# Altium PCB Bran_Main_Assay_PCB_v2.PcbDoc (part 10 of 15) (continued)
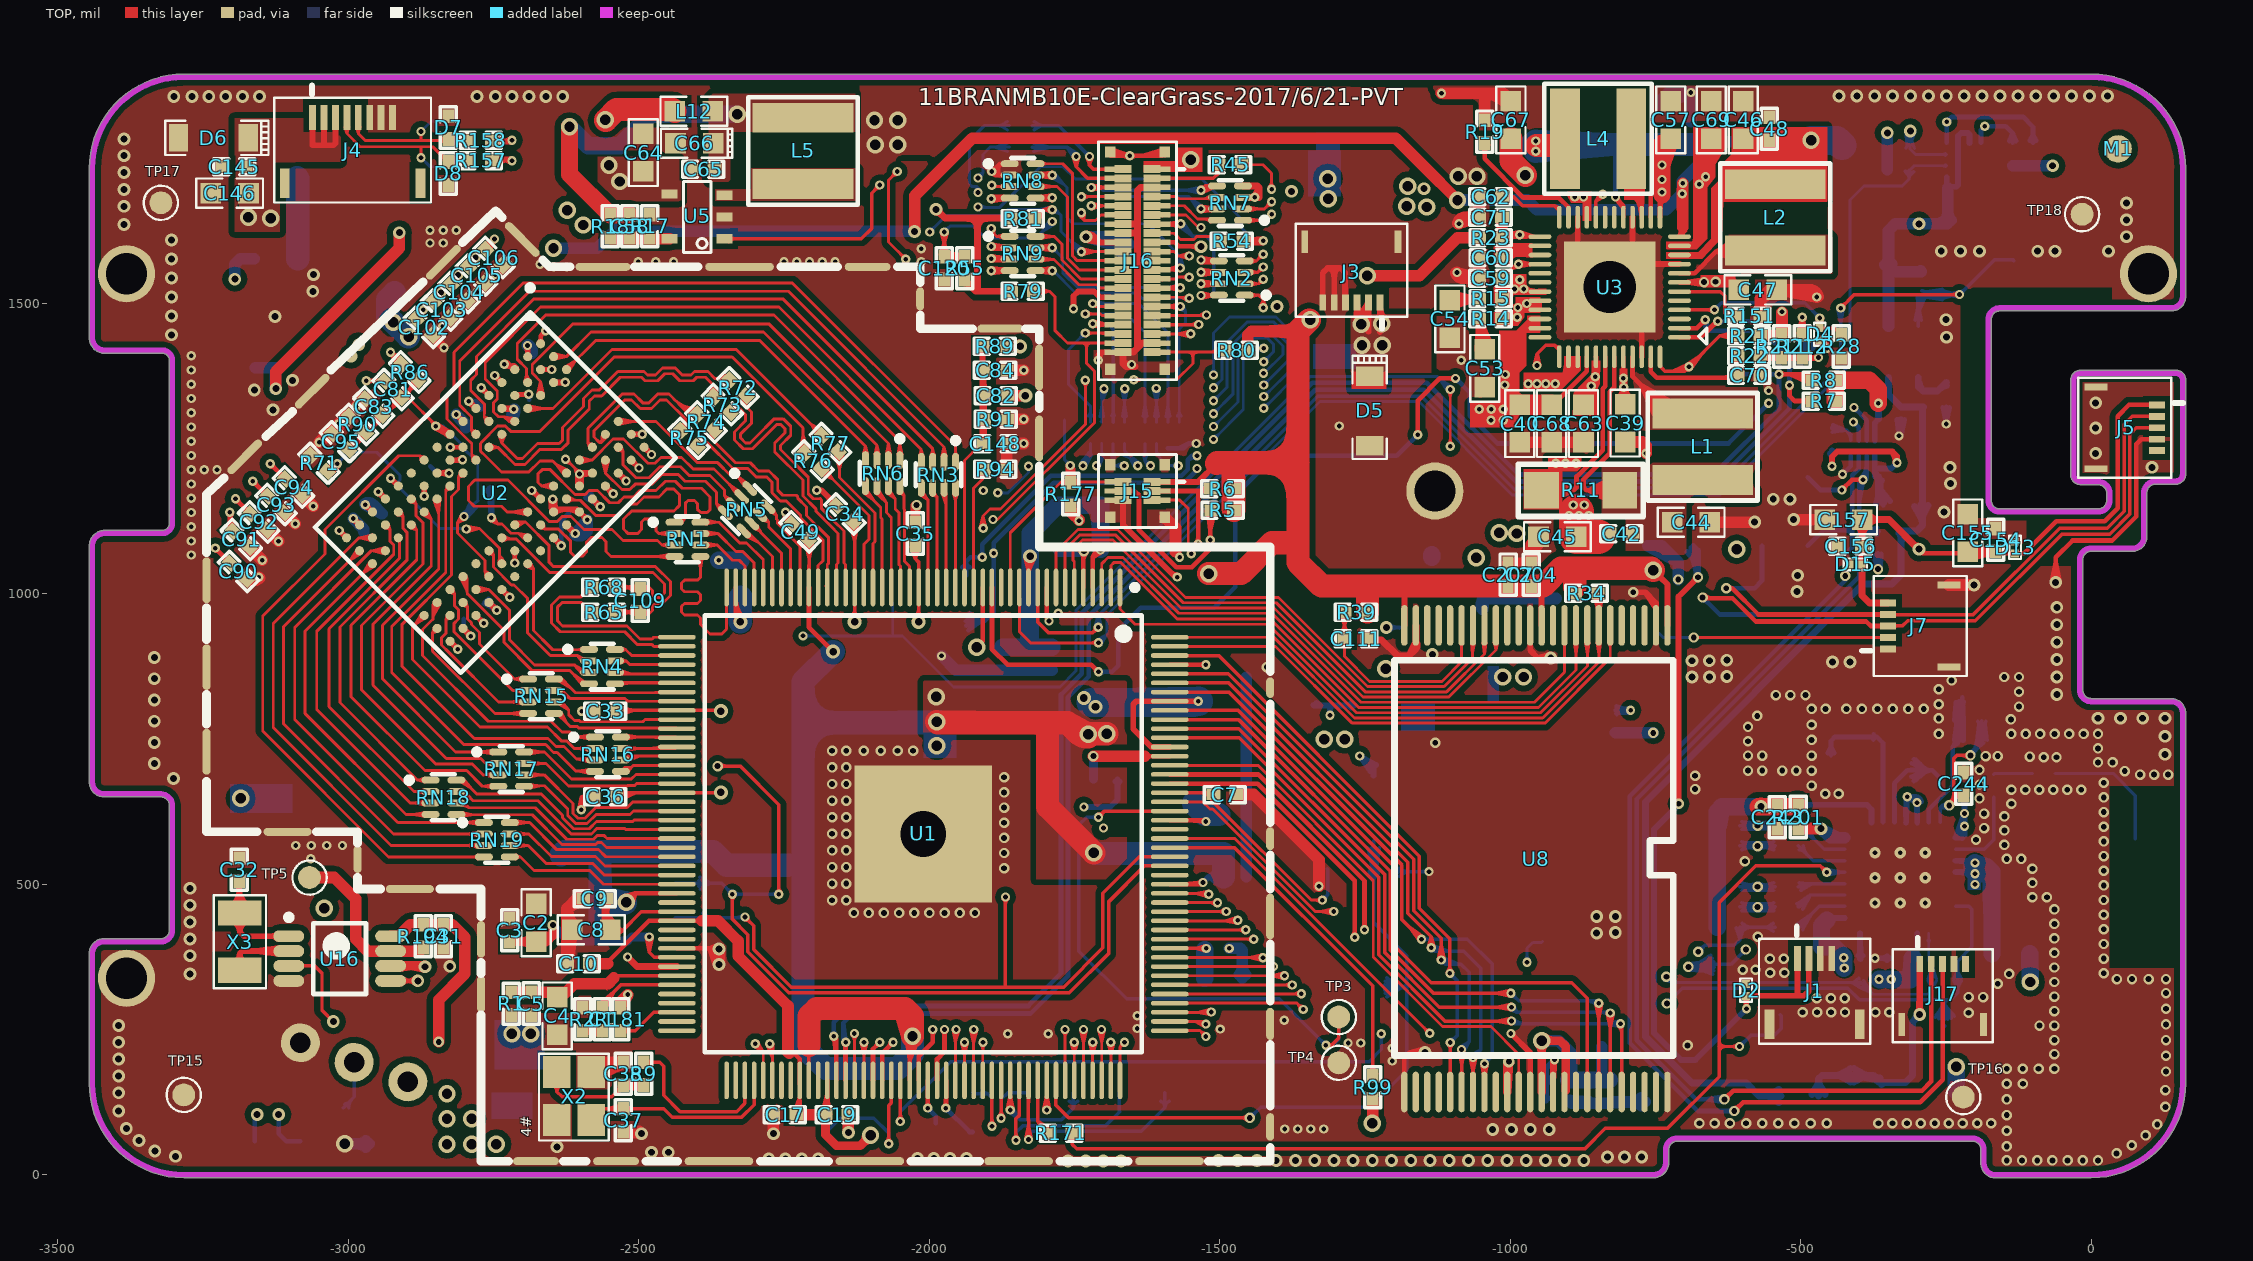
[diagram p0: TOP view]
## Nets (pads, with @x,y where several pads share a name; then routed paths per layer and width w, separated by ;. In a path a pad name is that pad's centre, name@x,y a point inside that pad or via, vN(x,y) a via of type N, cw(c..) or ccw(c..) an arc to the next point about the centre after c; other vN are vias at no path point) (continued)
N16978245: J16.11 RN2.6 | length 944.1
  TOP w5: J16.11@-1599.21,1650.79 ccw(c-1603.01,1646.99) -1603.01,1652.36 ccw(c-1603.01,1657.73) J16.11@-1599.21,1653.94 ; J16.11@-1597.64,1652.36 J16.11@-1616.73,1652.36 J16.11@-1593.5,1652.36 -1558.3,1652.36 -1536.68,1630.74 v1(-1532.45,1630.74) ; J16.11@-1589.37,1652.36 -1569.65,1652.36 ; J16.11@-1587.8,1650.79 cw(c-1584,1646.99) -1584,1652.36 cw(c-1584,1657.73) J16.11@-1587.8,1653.94 ; v1@-1532.68,1548.25 RN2.6@-1511.52,1550.09 ; v1@-1532.6,1559.24 RN2.6@-1511.46,1557.07 ; v1@-1531.79,1559.2 -1509.45,1553.74 -1531.79,1548.28 RN2.6@-1511.2,1553.58 ; v1@-1531.7,1559.19 RN2.6@-1511.2,1553.58 ; v1@-1531.16,1548.39 -1522.61,1553.29 ; v1@-1531.16,1559.09 -1522.61,1554.19 ; v1@-1530.89,1548.47 RN2.6@-1511.46,1557.07 ; v1@-1530.81,1558.99 RN2.6@-1511.52,1550.09 ; v1@-1530.67,1548.53 -1522.61,1554.19 ; v1@-1530.67,1558.95 -1522.61,1553.29 ; v1@-1528.56,1549.85 cw(c-1519.17,1540.46) -1519.17,1553.74 cw(c-1519.17,1567.02) v1@-1528.56,1557.63 ; -1520.03,1553.74 cw(c-1520.03,1544.74) RN2.6@-1513.67,1551.11 ; -1519.26,1553.74 ccw(c-1519.26,1561.64) RN2.6@-1513.67,1556.06 ; RN2.6@-1512.45,1550.31 -1517.22,1554.01 ; RN2.6@-1512.22,1556.93 -1517.71,1553.43 ; RN2.6@-1512.06,1550.19 -1517.71,1553.43 ; RN2.6@-1511.97,1556.99 -1517.22,1554.01 ; RN2.6@-1501.7,1553.58 -1501.86,1553.74 v1(-1532.45,1553.74) ; v1(-1532.45,1553.74) RN2.6@-1511.2,1553.58 ; v1(-1532.45,1553.74) RN2.6@-1511.46,1557.07 ; v1(-1532.45,1553.74) RN2.6@-1511.52,1550.09 ; v1(-1532.45,1553.74) -1522.61,1554.19 ; v1(-1532.45,1553.74) -1522.61,1553.29 ; v1@-1532.2,1553.74 RN2.6@-1511.2,1553.58 ; v1@-1532.2,1553.74 RN2.6@-1511.46,1557.07 ; v1@-1532.2,1553.74 RN2.6@-1511.52,1550.09 ; -1517.71,1553.43 RN2.6@-1511.2,1553.58 ; -1517.22,1554.01 RN2.6@-1511.2,1553.58
  Singal w5: v1@-1531.42,1625.34 -1517.7,1630.74 ; v1@-1531.42,1636.14 -1517.7,1630.74 ; v1@-1531.37,1548.35 -1518.45,1553.74 ; v1@-1531.37,1559.13 -1518.45,1553.74 ; v1@-1531.16,1548.39 -1522.61,1553.29 ; v1@-1531.16,1559.09 -1522.61,1554.19 ; v1@-1531.16,1625.39 -1522.61,1630.29 ; v1@-1531.16,1636.09 -1522.61,1631.19 ; v1@-1530.67,1548.53 -1522.61,1554.19 ; v1@-1530.67,1558.95 -1522.61,1553.29 ; v1@-1530.67,1625.53 -1522.61,1631.19 ; v1@-1530.67,1635.95 -1522.61,1630.29 ; v1@-1528.56,1549.85 cw(c-1519.17,1540.46) -1519.17,1553.74 cw(c-1519.17,1567.02) v1@-1528.56,1557.63 ; v1@-1528.56,1626.85 cw(c-1519.17,1617.46) -1519.17,1630.74 cw(c-1519.17,1644.02) v1@-1528.56,1634.63 ; v1(-1532.45,1553.74) -1522.61,1554.19 ; v1(-1532.45,1553.74) -1522.61,1553.29 ; v1(-1532.45,1553.74) -1518.45,1553.74 ; v1(-1532.45,1630.74) -1522.61,1631.19 ; v1(-1532.45,1630.74) -1522.61,1630.29 ; v1(-1532.45,1630.74) -1517.7,1630.74 ; -1518.45,1553.74 -1505.95,1566.24 -1505.95,1618.99 -1517.7,1630.74
N16978418: J16.12 RN2.7 | length 1421.1
  TOP w5: v1@-1743.06,1653.23 -1733.94,1642.99 ; v1@-1740.63,1651.01 cw(c-1742.34,1647.35) -1738.3,1647.35 ; v1@-1737.93,1655.66 ccw(c-1733.09,1651.32) -1737.68,1646.73 ; v1@-1735.97,1651.01 ccw(c-1734.25,1647.35) -1738.3,1647.35 ; v1@-1734.2,1652.32 ccw(c-1729.14,1647.79) -1733.95,1642.99 ; v1@-1732.84,1656.66 -1733.94,1642.99 ; J16.12@-1695.67,1650.79 ccw(c-1699.46,1646.99) -1699.46,1652.36 ccw(c-1699.46,1657.73) J16.12@-1695.67,1653.94 ; J16.12@-1694.09,1652.36 -1704.57,1652.36 ; J16.12@-1685.83,1652.36 J16.12@-1666.73,1652.36 J16.12@-1689.96,1652.36 -1704.57,1652.36 ; J16.12@-1684.25,1650.79 cw(c-1680.46,1646.99) -1680.46,1652.36 cw(c-1680.46,1657.73) J16.12@-1684.25,1653.94 ; v1@-1532.68,1539.24 RN2.7@-1511.52,1537.39 ; v1@-1532.6,1528.24 RN2.7@-1511.46,1530.41 ; v1@-1531.79,1528.28 -1509.45,1533.74 -1531.79,1539.2 RN2.7@-1511.2,1533.9 ; v1@-1531.7,1528.29 RN2.7@-1511.2,1533.9 ; v1@-1531.16,1528.39 -1522.61,1533.29 ; v1@-1531.16,1539.09 -1522.61,1534.19 ; v1@-1530.89,1539.01 RN2.7@-1511.46,1530.41 ; v1@-1530.81,1528.49 RN2.7@-1511.52,1537.39 ; v1@-1530.67,1528.53 -1522.61,1534.19 ; v1@-1530.67,1538.95 -1522.61,1533.29 ; v1@-1528.56,1529.85 cw(c-1519.17,1520.46) -1519.17,1533.74 cw(c-1519.17,1547.02) v1@-1528.56,1537.63 ; -1520.03,1533.74 ccw(c-1520.03,1542.74) RN2.7@-1513.67,1536.38 ; -1519.26,1533.74 cw(c-1519.26,1525.84) RN2.7@-1513.67,1531.43 ; RN2.7@-1512.45,1537.17 -1517.22,1533.47 ; RN2.7@-1512.22,1530.55 -1517.71,1534.05 ; RN2.7@-1512.06,1537.29 -1517.71,1534.05 ; RN2.7@-1511.97,1530.49 -1517.22,1533.47 ; RN2.7@-1501.7,1533.9 -1501.86,1533.74 v1(-1532.45,1533.74) ; -1738.3,1647.35 v1(-1738.3,1655.99) ; -1738.3,1647.35 -1743.51,1654.24 -1738.3,1647.35 ; -1738.3,1647.35 -1733.08,1654.24 -1738.3,1647.35 ; -1738.3,1647.35 v1(-1738.3,1655.99) ; -1738.3,1647.35 -1733.94,1642.99 ; -1738.3,1647.35 v1(-1738.3,1655.99) ; v1(-1738.3,1655.99) -1733.94,1642.99 ; -1733.94,1642.99 -1713.94,1642.99 -1704.57,1652.36 ; v1(-1532.45,1533.74) RN2.7@-1511.2,1533.9 ; v1(-1532.45,1533.74) RN2.7@-1511.52,1537.39 ; v1(-1532.45,1533.74) RN2.7@-1511.46,1530.41 ; v1(-1532.45,1533.74) -1522.61,1534.19 ; v1(-1532.45,1533.74) -1522.61,1533.29 ; v1@-1532.2,1533.74 RN2.7@-1511.2,1533.9 ; v1@-1532.2,1533.74 RN2.7@-1511.52,1537.39 ; v1@-1532.2,1533.74 RN2.7@-1511.46,1530.41 ; -1517.71,1534.05 RN2.7@-1511.2,1533.9 ; -1517.22,1533.47 RN2.7@-1511.2,1533.9
  Singal w5: v1@-1743.8,1655.99 ccw(c-1757.08,1655.99) -1747.69,1665.38 ccw(c-1738.3,1674.77) v1@-1738.3,1661.49 ; v1@-1742.57,1652.53 -1756.91,1674.6 ; v1@-1734.84,1660.27 -1756.91,1674.6 ; v1@-1531.61,1528.3 -1514.45,1533.74 ; v1@-1531.61,1539.18 -1514.45,1533.74 ; v1@-1531.16,1528.39 -1522.61,1533.29 ; v1@-1531.16,1539.09 -1522.61,1534.19 ; v1@-1530.67,1528.53 -1522.61,1534.19 ; v1@-1530.67,1538.95 -1522.61,1533.29 ; v1@-1528.56,1529.85 cw(c-1519.17,1520.46) -1519.17,1533.74 cw(c-1519.17,1547.02) v1@-1528.56,1537.63 ; -1756.91,1674.6 v1(-1738.3,1655.99) -1758.94,1676.64 -1758.94,1698.99 -1743.83,1714.11 -1648.33,1714.11 -1611.46,1677.24 -1522.7,1677.24 -1496.95,1651.48 -1496.95,1551.24 -1514.45,1533.74 ; v1(-1532.45,1533.74) -1522.61,1534.19 ; v1(-1532.45,1533.74) -1522.61,1533.29 ; v1(-1532.45,1533.74) -1514.45,1533.74
N16978424: J16.13 RN2.8 | length 874.9
  TOP w6: J16.13@-1597.64,1636.61 J16.13@-1616.73,1636.61 J16.13@-1593.5,1636.61 v1@-1567.85,1636.61 ; -1580.47,1636.61 ccw(c-1580.47,1650) v1@-1571,1640.54 ; -1578.6,1636.61 cw(c-1578.6,1625.86) v1@-1571,1633.46 ; v1@-1569.38,1641.62 -1575.82,1636.25 ; v1@-1568.81,1632.18 -1577,1637.07 ; v1@-1568.74,1641.83 -1577,1637.07 ; v1@-1568.52,1632.11 -1575.82,1636.25 ; v1@-1568.12,1641.96 J16.13@-1589.37,1636.61 ; v1@-1568.02,1641.97 J16.13@-1593.47,1636.61 ; v1@-1567.95,1632.02 J16.13@-1589.37,1636.61 ; v1@-1567.87,1632.02 J16.13@-1593.47,1636.61 ; v1@-1531.97,1508.76 -1506.45,1513.74 -1531.97,1518.72 RN2.8@-1511.2,1514.21 ; v1@-1531.75,1508.79 RN2.8@-1511.2,1514.21 ; v1@-1531.28,1508.88 -1523.5,1513.33 ; v1@-1531.28,1518.6 -1523.5,1514.15 ; v1@-1530.83,1509.01 -1523.5,1514.15 ; v1@-1530.83,1518.47 -1523.5,1513.33 ; v1@-1528.91,1510.2 cw(c-1520.38,1501.67) -1520.38,1513.74 cw(c-1520.38,1525.81) v1@-1528.91,1517.28 ; -1519.58,1513.74 ccw(c-1519.58,1522.59) RN2.8@-1513.32,1516.33 ; -1517.31,1513.74 cw(c-1517.31,1508.1) RN2.8@-1513.32,1512.09 ; -1517.29,1514.04 RN2.8@-1511.2,1514.21 ; RN2.8@-1501.7,1514.21 -1502.17,1513.74 v1(-1532.45,1513.74) ; J16.13@-1593.47,1636.61 v1(-1567.46,1637) ; J16.13@-1589.37,1636.61 v1(-1567.46,1637) ; J16.13@-1589.37,1636.61 v1@-1567.85,1636.61 ; -1577,1637.07 v1(-1567.46,1637) ; -1575.82,1636.25 v1(-1567.46,1637) ; v1@-1567.85,1636.61 v1(-1567.46,1637) ; v1(-1532.45,1513.74) -1523.5,1514.15 ; v1(-1532.45,1513.74) -1523.5,1513.33 ; v1(-1532.45,1513.74) RN2.8@-1511.2,1514.21
  BOTTOM w6: v1@-1570.73,1633.21 -1547.05,1616.13 ; v1@-1567.46,1632 cw(c-1567.46,1621.03) -1559.71,1628.79 ; v1@-1563.6,1640.18 -1547.05,1616.13 ; v1@-1562.46,1637 ccw(c-1549.29,1637) -1558.61,1627.68 ; v1@-1531.28,1518.6 -1523.5,1514.15 ; v1@-1530.83,1509.01 -1523.5,1514.15 ; v1@-1528.91,1510.2 cw(c-1520.38,1501.67) -1520.38,1513.74 cw(c-1520.38,1525.81) v1@-1528.91,1517.28 ; -1547.05,1616.13 v1(-1567.46,1637) -1567.46,1636.54 -1546.66,1615.74 -1523.19,1615.74 -1510.45,1603 -1510.45,1519.74 -1516.45,1513.74 v1(-1532.45,1513.74) -1523.5,1514.15
N16998285: C38.2 R9.2 X2.3 | length 865.9
  TOP w6: X2.3@-2648.23,153.71 cw(c-2652.03,143.43) -2641.07,143.43 ; X2.3@-2641.07,176.98 -2641.07,143.43 ; X2.3@-2633.91,153.71 ccw(c-2630.11,143.43) -2641.07,143.43 ; -2541.52,139.8 cw(c-2527.02,125.3) C38.2@-2527.02,145.81 ; -2537.53,143.8 ccw(c-2546.39,152.65) C38.2@-2533.86,152.65 ; C38.2@-2526.17,147.83 R9.2@-2499.17,154.62 ; C38.2@-2526.17,161.41 R9.2@-2499.17,154.62 ; C38.2@-2525.41,147.97 -2514.77,154.06 ; C38.2@-2525.41,161.27 -2514.77,155.18 ; C38.2@-2524.81,148.15 -2514.77,155.18 ; C38.2@-2524.81,161.1 -2514.77,154.06 ; C38.2@-2522.18,149.78 cw(c-2510.5,138.1) -2510.5,154.62 cw(c-2510.5,171.14) C38.2@-2522.18,159.46 ; R9.2@-2496.3,149.78 ccw(c-2507.98,138.1) -2507.98,154.62 ccw(c-2507.98,171.14) R9.2@-2496.3,159.46 ; R9.2@-2493.67,148.15 -2503.71,155.18 ; R9.2@-2493.67,161.1 -2503.71,154.06 ; R9.2@-2493.07,147.97 -2503.71,154.06 ; R9.2@-2493.05,149.93 C38.2@-2519.42,159.71 ; R9.2@-2493.05,159.31 C38.2@-2519.42,149.53 ; R9.2@-2493.07,161.27 -2503.71,155.18 ; R9.2@-2492.02,154.62 -2526.7,154.62 -2526.86,154.46 -2547.02,134.31 -2632.02,134.31 -2641.13,143.43 -2641.07,143.43 ; R9.2@-2491.54,145.81 C38.2@-2519.42,149.53 ; R9.2@-2491.54,163.43 C38.2@-2519.42,159.71 ; R9.2@-2491.46,152.65 C38.2@-2519.42,149.53 ; R9.2@-2491.46,156.59 C38.2@-2519.42,159.71 ; C38.2@-2527.02,154.62 -2514.77,155.18 ; C38.2@-2527.02,154.62 -2514.77,154.06 ; C38.2@-2527.02,154.62 R9.2@-2499.17,154.62 ; C38.2@-2519.31,154.62 R9.2@-2491.46,154.62 ; C38.2@-2519.31,154.62 -2492.31,161.41 C38.2@-2519.31,154.62 ; C38.2@-2519.31,154.62 -2492.31,147.83 C38.2@-2519.31,154.62 ; C38.2@-2519.31,154.62 R9.2@-2491.46,154.62 ; -2503.71,154.06 R9.2@-2491.46,154.62 ; -2503.71,155.18 R9.2@-2491.46,154.62
N17029739: R74.2 U2.C7 | length 822.9
  TOP w5: U2.C7@-2585.33,1253.38 ccw(c-2592.73,1254.6) -2587.43,1259.9 ; U2.C7@-2584.68,1249.8 -2587.43,1259.9 ; U2.C7@-2580.9,1257.8 cw(c-2582.12,1265.2) -2587.43,1259.9 ; U2.C7@-2577.33,1257.15 -2587.43,1259.9 ; -2439.33,1334.97 ccw(c-2399.74,1374.57) R74.2@-2399.74,1318.58 ; -2430.8,1326.44 ccw(c-2399.74,1357.5) R74.2@-2399.74,1313.58 ; -2422.26,1317.9 ccw(c-2399.74,1340.42) R74.2@-2399.74,1308.58 ; R74.2@-2405.41,1306.57 ccw(c-2415.87,1297.98) -2415.87,1311.51 ; R74.2@-2405.14,1316.21 cw(c-2415.87,1326.11) -2415.87,1311.51 ; R74.2@-2404.21,1305.41 -2420.59,1322.6 ; R74.2@-2403.42,1304.88 -2427.37,1323.01 ; R74.2@-2403.36,1304.85 -2421.7,1319.46 ; R74.2@-2402.13,1304.29 -2415.66,1312.84 ; R74.2@-2400.7,1318.51 -2415.66,1312.84 ; R74.2@-2400.02,1311.51 -2415.87,1311.51 ; R74.2@-2398.27,1318.43 -2421.7,1319.46 ; R74.2@-2397.71,1318.29 -2427.37,1323.01 ; R74.2@-2397.26,1318.15 -2420.59,1322.6 ; -2587.43,1259.9 U2.C7@-2580.03,1252.5 -2587.43,1259.9 ; -2587.43,1259.9 -2587.43,1285.07 -2528.58,1343.92 -2508.43,1343.92 -2493.43,1328.92 -2482.58,1328.92 -2467.58,1343.92 -2448.28,1343.92 -2415.87,1311.51 ; -2427.37,1323.01 R74.2@-2399.74,1311.23 ; -2421.7,1319.46 R74.2@-2399.74,1311.23 ; -2420.59,1322.6 R74.2@-2399.74,1311.23 ; -2415.87,1311.51 R74.2@-2399.74,1311.23 ; -2415.87,1311.51 -2401.29,1318.41 -2415.87,1311.51 ; -2415.87,1311.51 -2401.53,1304.11 -2415.87,1311.51 ; -2415.87,1311.51 R74.2@-2399.74,1311.23 ; -2415.66,1312.84 R74.2@-2399.74,1311.23
N17029768: R75.2 U2.B7 | length 422.9
  TOP w5: U2.B7@-2563.08,1275.54 -2561.54,1267.34 ; U2.B7@-2562.93,1276.22 -2564.43,1260.92 ; U2.B7@-2562.57,1272.37 cw(c-2571.44,1267.94) -2564.43,1260.92 ; -2559.52,1265.83 ccw(c-2564.9,1271.21) U2.B7@-2558.09,1274.6 ; U2.B7@-2554.01,1270.92 -2561.54,1267.34 ; U2.B7@-2553.4,1271.63 -2564.43,1260.92 ; R75.2@-2432.52,1289.53 -2419.43,1293.1 ; R75.2@-2429.02,1283.51 -2419.43,1293.1 ; R75.2@-2428.74,1283.23 -2419.43,1293.1 ; R75.2@-2427.56,1290.48 ccw(c-2426.05,1299.72) -2419.43,1293.1 ; R75.2@-2422.23,1279.83 -2419.43,1293.1 ; R75.2@-2421.63,1285.06 cw(c-2413.48,1287.15) -2419.43,1293.1 ; -2564.43,1260.92 U2.B7@-2557.76,1274.77 ; -2564.43,1260.92 -2557.76,1267.59 U2.B7@-2557.76,1274.77 ; -2564.43,1260.92 -2568.1,1260.92 -2577.43,1270.25 -2577.43,1280.92 -2524.43,1333.92 -2512.58,1333.92 -2497.58,1318.92 -2478.43,1318.92 -2463.43,1333.92 -2452.43,1333.92 -2419.43,1300.92 -2419.43,1293.1 ; -2561.54,1267.34 U2.B7@-2557.76,1274.77
N17030637: R73.2 U2.G3 | length 653.3
  TOP w5: U2.G3@-2758.2,1252.49 -2742.97,1252.49 ; U2.G3@-2757.25,1247.2 -2742.97,1252.49 ; U2.G3@-2757.25,1257.78 -2742.97,1252.49 ; U2.G3@-2754.4,1248.69 cw(c-2745.22,1239.52) -2745.22,1252.49 cw(c-2745.22,1265.47) U2.G3@-2754.4,1256.29 ; R73.2@-2378.95,1342.6 -2372.02,1359.51 ; R73.2@-2376.93,1346.42 ccw(c-2388.79,1358.29) -2372.02,1358.29 ; R73.2@-2372.02,1341.51 -2372.02,1359.51 ; R73.2@-2371.74,1341.23 -2372.02,1359.51 ; R73.2@-2366.57,1346.45 cw(c-2353.63,1359.51) -2372.02,1359.51 ; R73.2@-2364.57,1342.82 -2372.02,1359.51 ; -2742.97,1252.49 -2713.4,1222.92 -2696.28,1222.92 -2670.28,1248.92 -2633.08,1248.92 -2621.7,1260.3 -2621.7,1282.28 -2585.43,1318.55 -2585.43,1332.14 -2576.65,1340.92 -2564.06,1340.92 -2532.06,1372.92 -2495.58,1372.92 -2489.58,1366.92 -2467.43,1366.92 -2455.43,1378.92 -2441.58,1378.92 -2429.58,1366.92 -2406.28,1366.92 -2400.28,1372.92 -2385.43,1372.92 -2372.02,1359.51
N17030639: R72.2 U2.F3 | length 727
  TOP w5: U2.F3@-2741.21,1273.82 -2735.92,1259.59 ; U2.F3@-2739.72,1270.97 cw(c-2748.9,1261.79) -2735.92,1261.79 cw(c-2722.94,1261.8) U2.F3@-2732.12,1270.97 ; U2.F3@-2730.63,1273.82 -2735.92,1259.59 ; -2363.14,1370.51 cw(c-2363.14,1351.83) R72.2@-2349.93,1365.04 ; -2361.79,1370.51 ccw(c-2361.79,1387.29) R72.2@-2349.93,1375.42 ; R72.2@-2346.91,1377.25 -2358.3,1369.88 ; R72.2@-2346.54,1363.11 -2358.3,1369.88 ; R72.2@-2345.94,1362.99 -2368.87,1370.51 ; R72.2@-2345.77,1377.5 -2368.87,1370.51 ; R72.2@-2345.02,1370.51 -2368.87,1370.51 ; -2735.92,1259.59 U2.F3@-2735.92,1274.77 -2735.92,1259.59 ; -2735.92,1259.59 -2709.25,1232.92 -2700.43,1232.92 -2674.43,1258.92 -2637.23,1258.92 -2631.7,1264.45 -2631.7,1286.43 -2595.43,1322.7 -2595.43,1336.29 -2580.8,1350.92 -2568.21,1350.92 -2549.43,1369.7 -2536.22,1382.92 -2491.43,1382.92 -2485.43,1376.92 -2471.58,1376.92 -2459.58,1388.92 -2437.43,1388.92 -2425.43,1376.92 -2410.43,1376.92 -2404.43,1382.92 -2381.28,1382.92 -2368.87,1370.51 ; -2368.87,1370.51 -2344.74,1370.23 -2358.3,1369.88
N17030675: R77.2 U2.D3 | length 862.1
  TOP w5: U2.D3@-2691.38,1319.31 -2648.04,1319.31 -2546.43,1420.92 -2332.35,1420.92 R77.2@-2186.02,1274.51 ; U2.D3@-2690.83,1313.97 -2665.24,1319.31 U2.D3@-2690.83,1324.66 ; U2.D3@-2687.58,1315.51 cw(c-2678.4,1306.34) -2678.4,1319.31 cw(c-2678.4,1332.29) U2.D3@-2687.58,1323.11 ; R77.2@-2193.08,1274.24 ccw(c-2210.81,1274.24) -2198.27,1286.77 ccw(c-2185.73,1299.3) R77.2@-2185.74,1281.58 ; R77.2@-2192.33,1271 -2194.6,1283.95 ; R77.2@-2192.01,1270.41 -2195.45,1283.1 ; R77.2@-2191.64,1269.87 -2203.3,1291.8 ; R77.2@-2182.5,1280.82 -2195.45,1283.1 ; R77.2@-2181.91,1280.5 -2194.6,1283.95 ; R77.2@-2181.37,1280.13 -2203.3,1291.8 ; -2203.3,1291.8 R77.2@-2185.74,1274.23 ; -2195.45,1283.1 R77.2@-2185.74,1274.23 ; -2194.6,1283.95 R77.2@-2185.74,1274.23
N17030677: R76.2 U2.E7 | length 1199.8
  TOP w5: -2638.69,1219.19 ccw(c-2624.57,1233.31) U2.E7@-2624.57,1213.34 ; -2631.69,1212.19 cw(c-2635.92,1207.96) U2.E7@-2629.94,1207.96 ; U2.E7@-2628.74,1204.58 -2634.56,1216.01 ; U2.E7@-2628.47,1204.27 -2642.34,1222.83 ; U2.E7@-2622.15,1212.76 -2634.56,1216.01 ; U2.E7@-2621.62,1212.46 -2642.34,1222.83 ; R76.2@-2223.06,1244.75 -2217.41,1272.99 ; R76.2@-2222.96,1245.55 -2216.61,1259.93 ; R76.2@-2220.93,1249.42 ccw(c-2229.44,1257.93) -2217.41,1257.93 ; -2217.41,1265.99 ccw(c-2193.99,1265.99) R76.2@-2210.55,1249.42 ; R76.2@-2216.02,1244.51 -2217.41,1245.9 -2217.41,1285.91 -2339.42,1407.92 -2542.43,1407.92 -2670.43,1279.92 -2720.73,1279.92 -2729.96,1289.15 -2743.2,1289.15 -2771.4,1260.51 -2772.73,1259.18 -2772.73,1245.8 -2764,1237.49 -2736.43,1209.92 -2689.43,1209.92 -2670.43,1228.92 -2648.43,1228.92 -2627.47,1207.96 U2.E7@-2624.57,1207.96 ; R76.2@-2208.71,1246.34 -2216.61,1259.93 ; R76.2@-2208.52,1245.59 -2217.41,1272.99 ; -2642.34,1222.83 U2.E7@-2624.57,1207.96 ; -2634.56,1216.01 U2.E7@-2624.57,1207.96 ; -2217.41,1272.99 -2215.74,1244.23 -2216.61,1259.93
N17031032: R71.2 U2.L8 | length 2629.8
  TOP w5: R71.2@-3040.16,1217.37 v1@-3026.28,1221.11 ; R71.2@-3039.8,1217.56 v1@-3025.47,1220.65 ; R71.2@-3034.92,1216.95 ccw(c-3034.4,1236.01) v1@-3021.28,1222.17 ; R71.2@-3030.34,1217.26 ccw(c-3035.49,1226.77) v1@-3024.84,1224.88 ; R71.2@-3029.39,1217.78 cw(c-3024.14,1208.09) v1@-3021,1218.65 ; R71.2@-3027.78,1209.41 cw(c-3011.4,1208.96) v1@-3022.66,1220.86 ; R71.2@-3027.41,1213.14 cw(c-3017.82,1207.24) v1@-3018.9,1218.45 ; -3025.9,1215.58 ccw(c-3033.86,1220.47) v1@-3024.78,1222.64 ; v1@-3024.93,1224.07 cw(c-3038.2,1224.43) -3029.07,1214.79 cw(c-3019.94,1205.15) v1@-3019.58,1218.42 ; v1@-3024.61,1225.77 R71.2@-3028.76,1205.94 ; v1@-3024.58,1225.86 R71.2@-3029.54,1204.83 ; v1@-3024.57,1225.88 R71.2@-3029.72,1204.63 ; v1@-3024.44,1226.19 R71.2@-3027.1,1213.63 ; v1@-3024.42,1226.24 R71.2@-3030.19,1207.27 ; v1@-3024.41,1226.25 R71.2@-3030.45,1206.86 ; v1@-3023.7,1227.39 R71.2@-3034.84,1209.33 ; v1@-3022.17,1228.69 R71.2@-3038.3,1216.23 ; v1@-3018.1,1218.59 R71.2@-3037.28,1216.63 ; v1@-3018,1218.61 R71.2@-3039.05,1215.81 ; v1@-3017.67,1218.71 R71.2@-3029.96,1217.46 ; v1@-3016.2,1219.47 R71.2@-3034.84,1209.33 ; v1@-3015.83,1219.76 R71.2@-3027.1,1213.63 ; v1@-3015.27,1220.33 R71.2@-3030.19,1207.27 ; v1@-3015.25,1220.34 R71.2@-3030.45,1206.86 ; v1@-2796.62,1117.16 -2774.35,1112.84 ; v1@-2796.13,1117.1 -2788.96,1113.16 ; v1@-2796.06,1106.25 -2774.35,1112.84 ; v1@-2795.98,1117.07 -2785.38,1112.25 ; v1@-2795.44,1106.4 -2785.38,1112.25 ; v1@-2794.25,1106.91 -2788.96,1113.16 ; v1@-2793.12,1107.78 cw(c-2780.91,1095.57) -2780.91,1112.84 ; v1@-2793.12,1115.56 ccw(c-2786.55,1122.13) -2786.55,1112.84 ; U2.L8@-2741.26,1051.5 -2740.11,1066.11 ; U2.L8@-2739.88,1055.69 ccw(c-2745.44,1060.78) -2740.11,1066.11 ; U2.L8@-2738.83,1056.58 ccw(c-2742.27,1061.92) -2735.92,1061.92 ; -2736.41,1062.42 cw(c-2741.58,1057.25) U2.L8@-2736.19,1052.32 ; U2.L8@-2733.01,1056.58 cw(c-2729.56,1061.92) -2735.92,1061.92 ; U2.L8@-2731.14,1054.52 -2740.11,1066.11 ; R71.2@-3039.05,1215.81 v1(-3019.43,1223.92) ; R71.2@-3039.05,1215.81 -3022.17,1228.69 R71.2@-3038.68,1216.03 ; R71.2@-3039.05,1215.81 v1(-3019.43,1223.92) ; R71.2@-3038.68,1216.03 v1(-3019.43,1223.92) ; R71.2@-3038.68,1216.03 -3018.03,1218.6 R71.2@-3038.3,1216.23 ; R71.2@-3038.68,1216.03 v1@-3025.31,1219.24 ; R71.2@-3038.3,1216.23 v1(-3019.43,1223.92) ; R71.2@-3038.3,1216.23 v1@-3023.84,1219.1 ; R71.2@-3037.88,1216.41 v1(-3019.43,1223.92) ; R71.2@-3037.88,1216.41 v1@-3022.18,1228.68 ; R71.2@-3037.88,1216.41 -3018.08,1218.59 R71.2@-3037.7,1216.49 ; R71.2@-3037.88,1216.41 -3025.36,1217.54 ; R71.2@-3037.7,1216.49 v1(-3019.43,1223.92) ; R71.2@-3037.7,1216.49 v1@-3022.19,1228.68 ; R71.2@-3037.7,1216.49 v1@-3023.03,1218.07 ; R71.2@-3037.28,1216.63 v1(-3019.43,1223.92) ; R71.2@-3037.28,1216.63 v1@-3022.21,1228.66 ; R71.2@-3037.28,1216.63 v1@-3023.18,1217.14 ; R71.2@-3036.51,1211 v1(-3019.43,1223.92) ; R71.2@-3036.51,1211 v1@-3023.28,1227.85 ; R71.2@-3036.51,1211 -3016.7,1219.15 R71.2@-3036.51,1211 ; R71.2@-3036.51,1211 v1(-3019.43,1223.92) ; R71.2@-3036.51,1211 v1@-3023.28,1227.85 ; R71.2@-3036.51,1211 v1@-3026.28,1221.11 ; R71.2@-3036.51,1211 v1@-3025.47,1220.65 ; R71.2@-3035.12,1209.61 v1(-3019.43,1223.92) ; R71.2@-3035.12,1209.61 v1@-3023.63,1227.47 ; R71.2@-3035.12,1209.61 v1@-3016.28,1219.41 ; R71.2@-3035.12,1209.61 v1(-3019.43,1223.92) ; R71.2@-3035.12,1209.61 v1@-3023.63,1227.47 ; R71.2@-3035.12,1209.61 v1@-3016.28,1219.41 ; R71.2@-3035.12,1209.61 v1(-3019.43,1223.92) ; R71.2@-3035.12,1209.61 v1@-3023.63,1227.47 ; R71.2@-3035.12,1209.61 v1@-3016.28,1219.41 ; R71.2@-3035.12,1209.61 v1(-3019.43,1223.92) ; R71.2@-3035.12,1209.61 v1@-3023.63,1227.47 ; R71.2@-3035.12,1209.61 v1@-3016.28,1219.41 ; R71.2@-3035.12,1209.61 v1(-3019.43,1223.92) ; R71.2@-3035.12,1209.61 v1@-3023.63,1227.47 ; R71.2@-3035.12,1209.61 v1@-3016.28,1219.41 ; R71.2@-3035.12,1209.61 v1(-3019.43,1223.92) ; R71.2@-3035.12,1209.61 v1@-3023.63,1227.47 ; R71.2@-3035.12,1209.61 v1@-3016.28,1219.41 ; R71.2@-3035.12,1209.61 v1@-3023.84,1219.1 ; R71.2@-3035.12,1209.61 v1@-3023.18,1217.14 ; R71.2@-3035.12,1209.61 v1@-3023.03,1218.07 ; R71.2@-3035.12,1209.61 v1@-3025.31,1219.24 ; R71.2@-3035.12,1209.61 -3025.36,1217.54 ; R71.2@-3035.12,1209.61 v1(-3019.43,1223.92) ; R71.2@-3034.84,1209.33 v1(-3019.43,1223.92) ; R71.2@-3034.84,1209.33 v1(-3019.43,1223.92) ; R71.2@-3030.45,1206.86 v1(-3019.43,1223.92) ; R71.2@-3030.45,1206.86 v1@-3025.47,1220.65 ; R71.2@-3030.19,1207.27 v1(-3019.43,1223.92) ; R71.2@-3030.19,1207.27 v1@-3026.28,1221.11 ; R71.2@-3029.96,1217.46 v1(-3019.43,1223.92) ; R71.2@-3029.96,1217.46 v1@-3023.27,1227.85 ; R71.2@-3029.72,1204.63 v1(-3019.43,1223.92) ; R71.2@-3029.72,1204.63 v1@-3014.94,1220.74 ; R71.2@-3029.72,1204.63 v1@-3023.18,1217.14 ; R71.2@-3029.54,1204.83 v1(-3019.43,1223.92) ; R71.2@-3029.54,1204.83 v1@-3014.94,1220.75 ; R71.2@-3029.54,1204.83 v1@-3023.03,1218.07 ; R71.2@-3029.31,1205.12 v1(-3019.43,1223.92) ; R71.2@-3029.31,1205.12 v1@-3024.59,1225.83 ; R71.2@-3029.31,1205.12 v1@-3014.93,1220.75 ; R71.2@-3029.31,1205.12 v1(-3019.43,1223.92) ; R71.2@-3029.14,1205.35 v1(-3019.43,1223.92) ; R71.2@-3029.14,1205.35 v1@-3024.59,1225.81 ; R71.2@-3029.14,1205.35 v1@-3014.93,1220.76 ; R71.2@-3029.14,1205.35 v1@-3023.84,1219.1 ; R71.2@-3029.02,1205.51 v1(-3019.43,1223.92) ; R71.2@-3029.02,1205.51 v1@-3024.6,1225.8 ; R71.2@-3029.02,1205.51 v1@-3014.93,1220.76 ; R71.2@-3029.02,1205.51 -3025.36,1217.54 ; R71.2@-3028.76,1205.94 v1(-3019.43,1223.92) ; R71.2@-3028.76,1205.94 v1@-3014.94,1220.75 ; R71.2@-3028.76,1205.94 v1@-3025.31,1219.24 ; R71.2@-3027.1,1213.63 v1(-3019.43,1223.92) ; v1(-2797.01,1111.67) -2788.96,1113.16 ; v1(-2797.01,1111.67) -2785.38,1112.25 ; v1(-2797.01,1111.67) -2774.35,1112.84 ; v1(-2797.01,1111.67) -2795.84,1112.84 -2774.35,1112.84 ; -2774.35,1112.84 -2740.11,1078.6 -2740.11,1066.11 ; -2740.11,1066.11 U2.L8@-2735.92,1052.06 -2735.92,1061.92 ; -2740.11,1066.11 -2735.92,1061.92
  BOTTOM w5: v1(-3019.43,1223.92) -2999.43,1243.92 -2951.12,1243.92 -2911.39,1204.19 -2911.39,1196.15 -2913.51,1194.03 -2913.51,1184.25 -2842.1,1112.84 -2798.18,1112.84 v1(-2797.01,1111.67) ; v1@-3019.43,1229.42 ccw(c-3019.43,1242.7) -3010.04,1233.31 ccw(c-3000.65,1223.92) v1@-3013.93,1223.92
N17176459: R151.2 U3.6 | length 295.5
  TOP w6: U3.6@-708.94,1520.43 -674.02,1520.43 U3.6@-693.19,1520.43 ; -673.65,1520.43 -638.36,1520.43 -631.23,1513.31 -631.23,1483.03 -626.51,1478.31 ; R151.2@-615.65,1473.62 ccw(c-626.51,1463.39) -626.51,1478.31 ; R151.2@-615.65,1483 cw(c-626.51,1493.22) -626.51,1478.31 ; R151.2@-613.05,1471.89 -622.22,1478.94 ; R151.2@-613.05,1484.72 -622.22,1477.68 ; R151.2@-612.33,1471.67 -622.22,1477.68 ; R151.2@-612.33,1484.94 -622.22,1478.94 ; R151.2@-612.15,1471.63 -626.51,1478.31 ; R151.2@-612.15,1484.99 -626.51,1478.31 ; R151.2@-608.7,1478.31 -626.51,1478.31 ; -626.51,1478.31 R151.2@-610.67,1478.31 ; -622.22,1477.68 R151.2@-610.67,1478.31 ; -622.22,1478.94 R151.2@-610.67,1478.31
N17436294: R156.1 U7.2 | length 145.7
  BOTTOM w5.7: U7.2@-233.54,560.52 -184.46,560.52 -167.94,577.04 R156.1@-167.94,646.31 R156.1@-167.94,650.31
N17436340: C213.1 C215.1 R156.2 | length 66.9
  BOTTOM w5.7: R156.2@-167.94,689.68 -166.63,690.99 -134.94,690.99 C213.1@-101.63,690.99
N17436479: A1.3@75.79,578.74 C213.2 C216.1 | length 227.9
  BOTTOM w5.7: C213.2@-62.26,690.99 -27.94,690.99 37.54,690.99 75.79,652.75 A1.3@75.79,578.74
N17436778: A1.2 R160.1
N17439379: R204.1 U7.26 | length 225.6
  BOTTOM w10: R204.1@-505.78,637 -499.22,637 -386.3,637 -378.23,628.93 ; R204.1@-493.83,632.75 cw(c-483.56,622.48) -483.56,637 ; -487.32,636.51 -497.25,636.17 -457.39,637 ; U7.26@-378.23,606.78 -378.23,628.93 ; U7.26@-378.23,617.61 -378.23,628.93
N17493110: C1.1 R2.2 | length 626.5
  TOP w5: R2.2@-2596.3,248.3 C1.1@-2571.36,250.31 ; R2.2@-2596.3,250.31 C1.1@-2564.3,250.31 ; R2.2@-2595.81,255.63 C1.1@-2571.36,250.31 ; R2.2@-2594.64,241.15 C1.1@-2571.36,250.31 ; R2.2@-2594.59,257.41 -2583.22,250.91 ; R2.2@-2594.56,243.13 -2583.1,249.7 ; R2.2@-2593.96,257.23 -2583.1,249.7 ; R2.2@-2593.9,243.33 -2583.22,250.91 ; R2.2@-2591.11,245.08 cw(c-2578.48,232.45) -2578.48,250.31 ; R2.2@-2591.11,255.46 ccw(c-2578.66,267.9) -2578.66,250.31 ; -2581.1,250.31 cw(c-2581.1,232.47) C1.1@-2568.49,245.08 ; -2580.95,250.31 ccw(c-2580.95,267.93) C1.1@-2568.49,255.47 ; C1.1@-2565.69,243.33 -2576.39,250.91 ; C1.1@-2565.65,257.23 -2576.49,249.7 ; C1.1@-2565.43,243.25 R2.2@-2587.77,253.88 ; C1.1@-2565.19,253.43 R2.2@-2589.6,243.13 ; C1.1@-2565.03,243.14 -2576.49,249.7 ; C1.1@-2565.01,257.42 -2576.39,250.91 ; C1.1@-2564.95,241.15 R2.2@-2588.25,250.31 ; C1.1@-2564.51,241.07 R2.2@-2588.98,248.89 ; C1.1@-2564.18,255.6 R2.2@-2588.98,248.89 ; C1.1@-2563.79,255.63 R2.2@-2588.25,250.31 ; C1.1@-2563.43,239 R2.2@-2589.6,243.13 ; C1.1@-2563.3,246.34 R2.2@-2589.6,243.13 ; C1.1@-2563.32,257.62 R2.2@-2587.77,253.88 ; R2.2@-2588.98,248.89 C1.1@-2563.3,248.31 R2.2@-2588.25,250.31 ; R2.2@-2587.77,253.88 C1.1@-2563.3,250.28 ; -2583.22,250.91 -2596.3,250.27 -2583.1,249.7 ; -2576.49,249.7 C1.1@-2563.3,250.28 ; -2576.39,250.91 C1.1@-2563.3,250.28
N17550444: C225.1 C227.1 D18.1 L18.1 U15.6
N17550467: L18.2 U15.1
N17550469: R188.2 R189.1 U15.4 | length 506.5
  Singal w10: v1(-1310.46,791) -1277.46,791 -1259.02,772.55 v1(-1259.02,721.1)
  BOTTOM w10: R188.2@-1338.78,809 -1337.78,808 -1310.46,808 ; R188.2@-1333.39,812.42 ccw(c-1322.71,823.1) -1322.71,808 ; -1326.62,808.51 -1336.81,809 -1310.46,808 ; v1(-1310.46,791) -1310.46,808 ; R189.1@-1274.54,804.58 ccw(c-1282.81,796.31) -1282.81,808 ccw(c-1282.81,819.69) R189.1@-1274.54,811.42 ; R189.1@-1271.12,808 -1310.46,808 ; R189.1@-1269.15,808 -1310.46,808 ; v1@-1256.12,721.88 ccw(c-1240.42,726.09) -1248.54,712.01 ; -1251.8,713.89 ccw(c-1235.42,730.28) U15.4@-1235.42,707.1 ; U15.4@-1246.73,708.82 cw(c-1255.95,699.6) U15.4@-1242.92,699.6 ; U15.4@-1241.41,707.89 v1(-1259.02,721.1) ; U15.4@-1241.08,694.69 v1(-1259.02,721.1) ; U15.4@-1235.42,687.1 -1235.42,697.5 v1(-1259.02,721.1) ; U15.4@-1235.42,699.6 v1(-1259.02,721.1) ; U15.4@-1231.05,705.7 v1(-1259.02,721.1)
N17556983: R194.1 TP5.1 U16.7 | length 347.3
  TOP w20: TP5.1@-3066.93,511.81 -3024.28,511.81 -2987.46,475 -2987.46,406 -2966.72,385.25 ; U16.7@-2943.76,385.25 -2966.72,385.25 ; U16.7@-2911.08,385.25 R194.1@-2877.53,385.25 ; R194.1@-2871.46,391.32 R194.1@-2877.53,385.25 ; -2966.72,385.25 U16.7@-2927.42,385.25 R194.1@-2877.53,385.25